# KiCad board Li-ion charger_panel.kicad_pcb (continued)
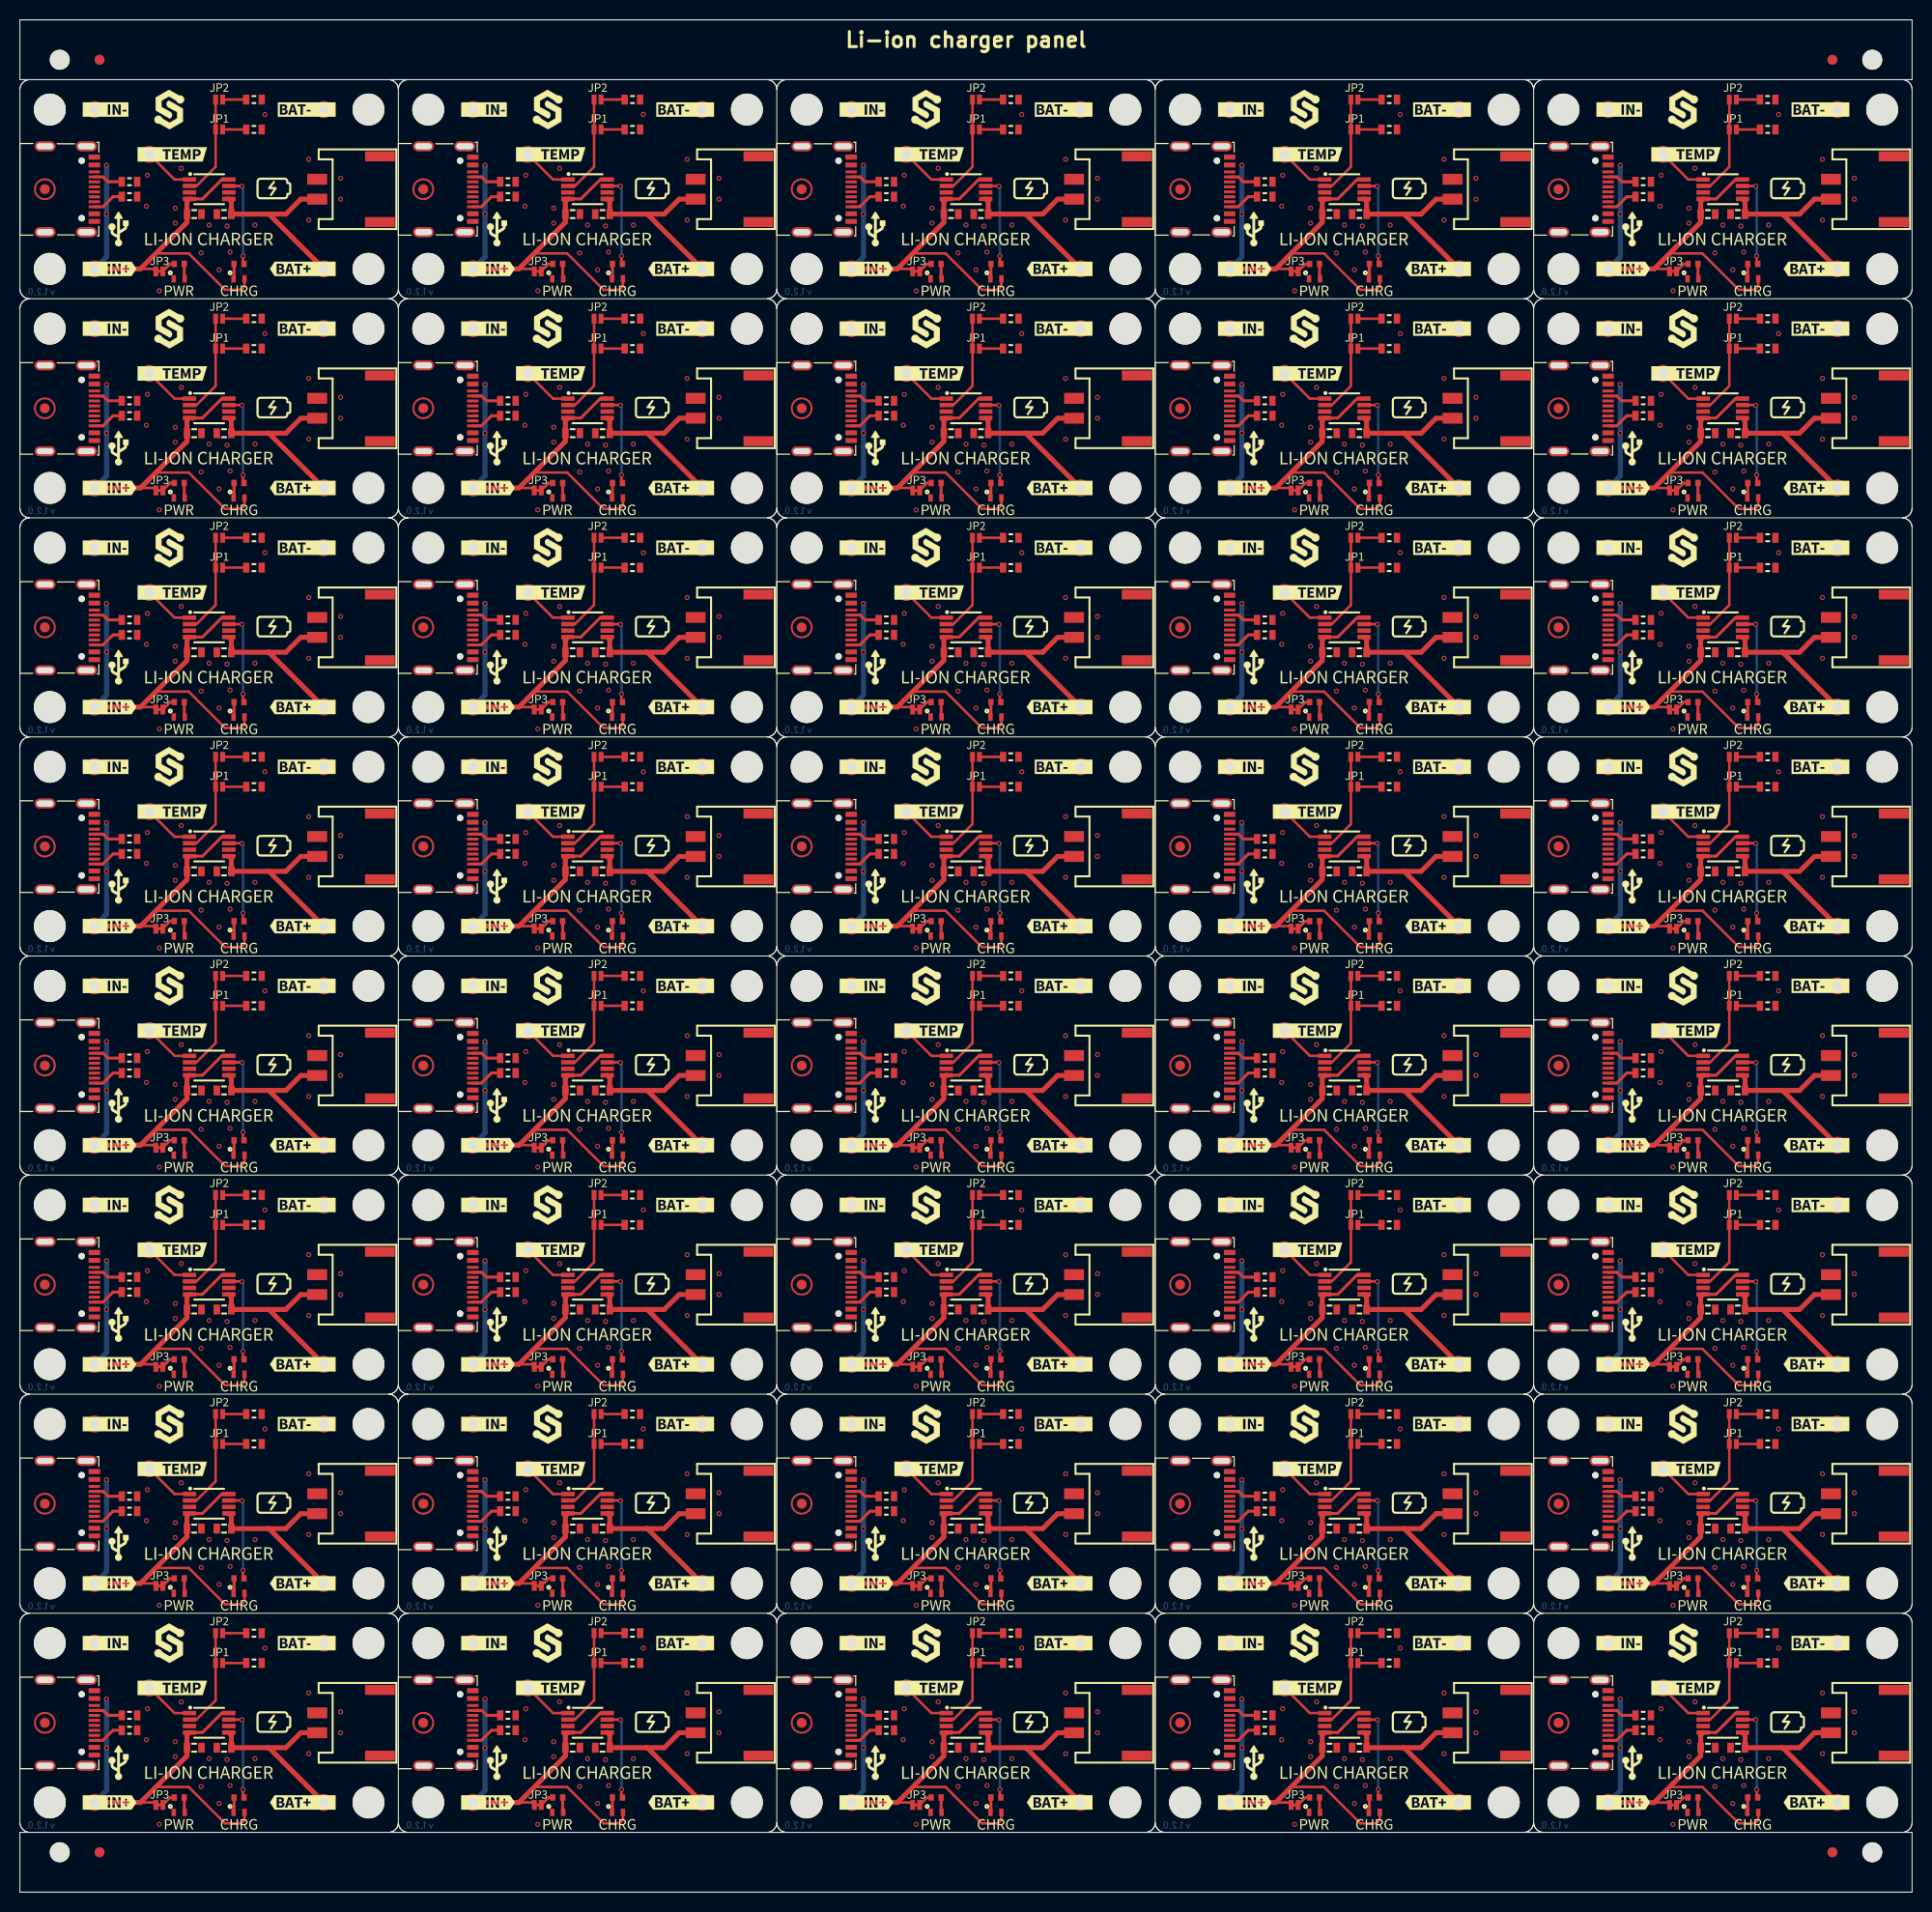
[diagram p0: board, top side]
## Placement (name value [footprint] x y rotation side) (continued)
kibuzzard-669504E0#24  G***  [kibuzzard-669504E0]  134 93.2 0 top
kibuzzard-669504E0#25  G***  [kibuzzard-669504E0]  96 137.2 0 top
kibuzzard-669504E0#26  G***  [kibuzzard-669504E0]  96 181.2 0 top
kibuzzard-669504E0#27  G***  [kibuzzard-669504E0]  134 159.2 0 top
kibuzzard-669504E0#28  G***  [kibuzzard-669504E0]  96 71.2 0 top
kibuzzard-669504E0#29  G***  [kibuzzard-669504E0]  172 181.2 0 top
kibuzzard-669504E0#30  G***  [kibuzzard-669504E0]  20 115.2 0 top
kibuzzard-669504E0#31  G***  [kibuzzard-669504E0]  20 49.2 0 top
kibuzzard-669504E0#32  G***  [kibuzzard-669504E0]  58 137.2 0 top
kibuzzard-669504E0#33  G***  [kibuzzard-669504E0]  58 71.2 0 top
kibuzzard-669504E0#34  G***  [kibuzzard-669504E0]  172 115.2 0 top
kibuzzard-669504E0#35  G***  [kibuzzard-669504E0]  172 49.2 0 top
kibuzzard-669504E0#36  G***  [kibuzzard-669504E0]  172 137.2 0 top
kibuzzard-669504E0#37  G***  [kibuzzard-669504E0]  134 71.2 0 top
kibuzzard-669504E0#38  G***  [kibuzzard-669504E0]  134 181.2 0 top
kibuzzard-669504E0#39  G***  [kibuzzard-669504E0]  20 27.2 0 top
kibuzzard-669504E0#40  G***  [kibuzzard-669504E0]  96 27.2 0 top
kibuzzard-669504EC  G***  [kibuzzard-669504EC]  172 156.1 0 top
kibuzzard-669504EC#2  G***  [kibuzzard-669504EC]  58 112.1 0 top
kibuzzard-669504EC#3  G***  [kibuzzard-669504EC]  20 68.1 0 top
kibuzzard-669504EC#4  G***  [kibuzzard-669504EC]  20 178.1 0 top
kibuzzard-669504EC#5  G***  [kibuzzard-669504EC]  96 46.1 0 top
kibuzzard-669504EC#6  G***  [kibuzzard-669504EC]  20 24.1 0 top
kibuzzard-669504EC#7  G***  [kibuzzard-669504EC]  96 68.1 0 top
kibuzzard-669504EC#8  G***  [kibuzzard-669504EC]  134 24.1 0 top
kibuzzard-669504EC#9  G***  [kibuzzard-669504EC]  96 134.1 0 top
kibuzzard-669504EC#10  G***  [kibuzzard-669504EC]  20 46.1 0 top
kibuzzard-669504EC#11  G***  [kibuzzard-669504EC]  172 134.1 0 top
kibuzzard-669504EC#12  G***  [kibuzzard-669504EC]  96 156.1 0 top
kibuzzard-669504EC#13  G***  [kibuzzard-669504EC]  58 24.1 0 top
kibuzzard-669504EC#14  G***  [kibuzzard-669504EC]  172 46.1 0 top
kibuzzard-669504EC#15  G***  [kibuzzard-669504EC]  58 178.1 0 top
kibuzzard-669504EC#16  G***  [kibuzzard-669504EC]  134 68.1 0 top
kibuzzard-669504EC#17  G***  [kibuzzard-669504EC]  134 90.1 0 top
kibuzzard-669504EC#18  G***  [kibuzzard-669504EC]  172 24.1 0 top
kibuzzard-669504EC#19  G***  [kibuzzard-669504EC]  20 112.1 0 top
kibuzzard-669504EC#20  G***  [kibuzzard-669504EC]  96 178.1 0 top
kibuzzard-669504EC#21  G***  [kibuzzard-669504EC]  20 156.1 0 top
kibuzzard-669504EC#22  G***  [kibuzzard-669504EC]  58 90.1 0 top
kibuzzard-669504EC#23  G***  [kibuzzard-669504EC]  134 156.1 0 top
kibuzzard-669504EC#24  G***  [kibuzzard-669504EC]  134 134.1 0 top
kibuzzard-669504EC#25  G***  [kibuzzard-669504EC]  96 112.1 0 top
kibuzzard-669504EC#26  G***  [kibuzzard-669504EC]  58 134.1 0 top
kibuzzard-669504EC#27  G***  [kibuzzard-669504EC]  96 24.1 0 top
kibuzzard-669504EC#28  G***  [kibuzzard-669504EC]  96 90.1 0 top
kibuzzard-669504EC#29  G***  [kibuzzard-669504EC]  172 90.1 0 top
kibuzzard-669504EC#30  G***  [kibuzzard-669504EC]  172 178.1 0 top
kibuzzard-669504EC#31  G***  [kibuzzard-669504EC]  172 112.1 0 top
kibuzzard-669504EC#32  G***  [kibuzzard-669504EC]  58 46.1 0 top
kibuzzard-669504EC#33  G***  [kibuzzard-669504EC]  172 68.1 0 top
kibuzzard-669504EC#34  G***  [kibuzzard-669504EC]  58 68.1 0 top
kibuzzard-669504EC#35  G***  [kibuzzard-669504EC]  58 156.1 0 top
kibuzzard-669504EC#36  G***  [kibuzzard-669504EC]  134 112.1 0 top
kibuzzard-669504EC#37  G***  [kibuzzard-669504EC]  20 90.1 0 top
kibuzzard-669504EC#38  G***  [kibuzzard-669504EC]  20 134.1 0 top
kibuzzard-669504EC#39  G***  [kibuzzard-669504EC]  134 46.1 0 top
kibuzzard-669504EC#40  G***  [kibuzzard-669504EC]  134 178.1 0 top
kibuzzard-6695049F  G***  [kibuzzard-6695049F]  66.8 113 0 top
kibuzzard-6695049F#2  G***  [kibuzzard-6695049F]  66.8 47 0 top
kibuzzard-6695049F#3  G***  [kibuzzard-6695049F]  66.8 135 0 top
kibuzzard-6695049F#4  G***  [kibuzzard-6695049F]  142.8 69 0 top
kibuzzard-6695049F#5  G***  [kibuzzard-6695049F]  104.8 157 0 top
kibuzzard-6695049F#6  G***  [kibuzzard-6695049F]  28.8 47 0 top
kibuzzard-6695049F#7  G***  [kibuzzard-6695049F]  180.8 47 0 top
kibuzzard-6695049F#8  G***  [kibuzzard-6695049F]  66.8 25 0 top
kibuzzard-6695049F#9  G***  [kibuzzard-6695049F]  104.8 113 0 top
kibuzzard-6695049F#10  G***  [kibuzzard-6695049F]  180.8 91 0 top
kibuzzard-6695049F#11  G***  [kibuzzard-6695049F]  180.8 69 0 top
kibuzzard-6695049F#12  G***  [kibuzzard-6695049F]  180.8 135 0 top
kibuzzard-6695049F#13  G***  [kibuzzard-6695049F]  28.8 69 0 top
kibuzzard-6695049F#14  G***  [kibuzzard-6695049F]  28.8 157 0 top
kibuzzard-6695049F#15  G***  [kibuzzard-6695049F]  180.8 25 0 top
kibuzzard-6695049F#16  G***  [kibuzzard-6695049F]  104.8 47 0 top
kibuzzard-6695049F#17  G***  [kibuzzard-6695049F]  28.8 135 0 top
kibuzzard-6695049F#18  G***  [kibuzzard-6695049F]  142.8 113 0 top
kibuzzard-6695049F#19  G***  [kibuzzard-6695049F]  142.8 91 0 top
kibuzzard-6695049F#20  G***  [kibuzzard-6695049F]  142.8 157 0 top
kibuzzard-6695049F#21  G***  [kibuzzard-6695049F]  28.8 113 0 top
kibuzzard-6695049F#22  G***  [kibuzzard-6695049F]  28.8 25 0 top
kibuzzard-6695049F#23  G***  [kibuzzard-6695049F]  142.8 179 0 top
kibuzzard-6695049F#24  G***  [kibuzzard-6695049F]  104.8 179 0 top
kibuzzard-6695049F#25  G***  [kibuzzard-6695049F]  104.8 25 0 top
kibuzzard-6695049F#26  G***  [kibuzzard-6695049F]  66.8 179 0 top
kibuzzard-6695049F#27  G***  [kibuzzard-6695049F]  66.8 69 0 top
kibuzzard-6695049F#28  G***  [kibuzzard-6695049F]  180.8 179 0 top
kibuzzard-6695049F#29  G***  [kibuzzard-6695049F]  28.8 179 0 top
kibuzzard-6695049F#30  G***  [kibuzzard-6695049F]  142.8 25 0 top
kibuzzard-6695049F#31  G***  [kibuzzard-6695049F]  104.8 91 0 top
kibuzzard-6695049F#32  G***  [kibuzzard-6695049F]  104.8 69 0 top
kibuzzard-6695049F#33  G***  [kibuzzard-6695049F]  66.8 157 0 top
kibuzzard-6695049F#34  G***  [kibuzzard-6695049F]  180.8 157 0 top
kibuzzard-6695049F#35  G***  [kibuzzard-6695049F]  142.8 47 0 top
kibuzzard-6695049F#36  G***  [kibuzzard-6695049F]  104.8 135 0 top
kibuzzard-6695049F#37  G***  [kibuzzard-6695049F]  142.8 135 0 top
kibuzzard-6695049F#38  G***  [kibuzzard-6695049F]  28.8 91 0 top
kibuzzard-6695049F#39  G***  [kibuzzard-6695049F]  66.8 91 0 top
kibuzzard-6695049F#40  G***  [kibuzzard-6695049F]  180.8 113 0 top
kibuzzard-66950404  G***  [kibuzzard-66950404]  171 100 0 top
kibuzzard-66950404#2  G***  [kibuzzard-66950404]  171 78 0 top
kibuzzard-66950404#3  G***  [kibuzzard-66950404]  19 56 0 top
kibuzzard-66950404#4  G***  [kibuzzard-66950404]  57 34 0 top
kibuzzard-66950404#5  G***  [kibuzzard-66950404]  95 34 0 top
kibuzzard-66950404#6  G***  [kibuzzard-66950404]  133 12 0 top
kibuzzard-66950404#7  G***  [kibuzzard-66950404]  95 144 0 top
kibuzzard-66950404#8  G***  [kibuzzard-66950404]  171 122 0 top
kibuzzard-66950404#9  G***  [kibuzzard-66950404]  171 12 0 top
kibuzzard-66950404#10  G***  [kibuzzard-66950404]  57 122 0 top
kibuzzard-66950404#11  G***  [kibuzzard-66950404]  95 78 0 top
kibuzzard-66950404#12  G***  [kibuzzard-66950404]  19 100 0 top
kibuzzard-66950404#13  G***  [kibuzzard-66950404]  95 122 0 top
kibuzzard-66950404#14  G***  [kibuzzard-66950404]  133 78 0 top
kibuzzard-66950404#15  G***  [kibuzzard-66950404]  95 12 0 top
kibuzzard-66950404#16  G***  [kibuzzard-66950404]  133 100 0 top
kibuzzard-66950404#17  G***  [kibuzzard-66950404]  57 78 0 top
kibuzzard-66950404#18  G***  [kibuzzard-66950404]  171 144 0 top
kibuzzard-66950404#19  G***  [kibuzzard-66950404]  57 56 0 top
kibuzzard-66950404#20  G***  [kibuzzard-66950404]  19 12 0 top
kibuzzard-66950404#21  G***  [kibuzzard-66950404]  19 166 0 top
kibuzzard-66950404#22  G***  [kibuzzard-66950404]  95 166 0 top
kibuzzard-66950404#23  G***  [kibuzzard-66950404]  19 78 0 top
kibuzzard-66950404#24  G***  [kibuzzard-66950404]  19 144 0 top
kibuzzard-66950404#25  G***  [kibuzzard-66950404]  95 100 0 top
kibuzzard-66950404#26  G***  [kibuzzard-66950404]  57 144 0 top
kibuzzard-66950404#27  G***  [kibuzzard-66950404]  19 122 0 top
kibuzzard-66950404#28  G***  [kibuzzard-66950404]  19 34 0 top
kibuzzard-66950404#29  G***  [kibuzzard-66950404]  133 122 0 top
kibuzzard-66950404#30  G***  [kibuzzard-66950404]  171 34 0 top
kibuzzard-66950404#31  G***  [kibuzzard-66950404]  57 100 0 top
kibuzzard-66950404#32  G***  [kibuzzard-66950404]  171 56 0 top
kibuzzard-66950404#33  G***  [kibuzzard-66950404]  95 56 0 top
kibuzzard-66950404#34  G***  [kibuzzard-66950404]  57 166 0 top
kibuzzard-66950404#35  G***  [kibuzzard-66950404]  57 12 0 top
kibuzzard-66950404#36  G***  [kibuzzard-66950404]  133 144 0 top
kibuzzard-66950404#37  G***  [kibuzzard-66950404]  171 166 0 top
kibuzzard-66950404#38  G***  [kibuzzard-66950404]  133 166 0 top
kibuzzard-66950404#39  G***  [kibuzzard-66950404]  133 56 0 top
kibuzzard-66950404#40  G***  [kibuzzard-66950404]  133 34 0 top
kibuzzard-66950472  G***  [kibuzzard-66950472]  123 75 0 top
kibuzzard-66950472#2  G***  [kibuzzard-66950472]  47 75 0 top
kibuzzard-66950472#3  G***  [kibuzzard-66950472]  85 53 0 top
kibuzzard-66950472#4  G***  [kibuzzard-66950472]  123 53 0 top
kibuzzard-66950472#5  G***  [kibuzzard-66950472]  47 97 0 top
kibuzzard-66950472#6  G***  [kibuzzard-66950472]  123 97 0 top
kibuzzard-66950472#7  G***  [kibuzzard-66950472]  85 9 0 top
kibuzzard-66950472#8  G***  [kibuzzard-66950472]  123 141 0 top
kibuzzard-66950472#9  G***  [kibuzzard-66950472]  47 119 0 top
kibuzzard-66950472#10  G***  [kibuzzard-66950472]  85 31 0 top
kibuzzard-66950472#11  G***  [kibuzzard-66950472]  161 53 0 top
kibuzzard-66950472#12  G***  [kibuzzard-66950472]  9 119 0 top
kibuzzard-66950472#13  G***  [kibuzzard-66950472]  85 119 0 top
kibuzzard-66950472#14  G***  [kibuzzard-66950472]  161 31 0 top
kibuzzard-66950472#15  G***  [kibuzzard-66950472]  9 97 0 top
kibuzzard-66950472#16  G***  [kibuzzard-66950472]  47 163 0 top
kibuzzard-66950472#17  G***  [kibuzzard-66950472]  47 141 0 top
kibuzzard-66950472#18  G***  [kibuzzard-66950472]  9 53 0 top
kibuzzard-66950472#19  G***  [kibuzzard-66950472]  47 53 0 top
kibuzzard-66950472#20  G***  [kibuzzard-66950472]  47 31 0 top
kibuzzard-66950472#21  G***  [kibuzzard-66950472]  161 163 0 top
kibuzzard-66950472#22  G***  [kibuzzard-66950472]  85 97 0 top
kibuzzard-66950472#23  G***  [kibuzzard-66950472]  161 119 0 top
kibuzzard-66950472#24  G***  [kibuzzard-66950472]  123 119 0 top
kibuzzard-66950472#25  G***  [kibuzzard-66950472]  123 31 0 top
kibuzzard-66950472#26  G***  [kibuzzard-66950472]  161 75 0 top
kibuzzard-66950472#27  G***  [kibuzzard-66950472]  9 75 0 top
kibuzzard-66950472#28  G***  [kibuzzard-66950472]  123 163 0 top
kibuzzard-66950472#29  G***  [kibuzzard-66950472]  123 9 0 top
kibuzzard-66950472#30  G***  [kibuzzard-66950472]  85 163 0 top
kibuzzard-66950472#31  G***  [kibuzzard-66950472]  85 75 0 top
kibuzzard-66950472#32  G***  [kibuzzard-66950472]  85 141 0 top
kibuzzard-66950472#33  G***  [kibuzzard-66950472]  161 141 0 top
kibuzzard-66950472#34  G***  [kibuzzard-66950472]  9 141 0 top
kibuzzard-66950472#35  G***  [kibuzzard-66950472]  9 31 0 top
kibuzzard-66950472#36  G***  [kibuzzard-66950472]  9 163 0 top
kibuzzard-66950472#37  G***  [kibuzzard-66950472]  47 9 0 top
kibuzzard-66950472#38  G***  [kibuzzard-66950472]  161 9 0 top
kibuzzard-66950472#39  G***  [kibuzzard-66950472]  9 9 0 top
kibuzzard-66950472#40  G***  [kibuzzard-66950472]  161 97 0 top
kibuzzard-66950480  G***  [kibuzzard-66950480]  8.6 91 0 top
kibuzzard-66950480#2  G***  [kibuzzard-66950480]  8.6 157 0 top
kibuzzard-66950480#3  G***  [kibuzzard-66950480]  122.6 69 0 top
kibuzzard-66950480#4  G***  [kibuzzard-66950480]  84.6 157 0 top
kibuzzard-66950480#5  G***  [kibuzzard-66950480]  84.6 25 0 top
kibuzzard-66950480#6  G***  [kibuzzard-66950480]  160.6 47 0 top
kibuzzard-66950480#7  G***  [kibuzzard-66950480]  46.6 157 0 top
kibuzzard-66950480#8  G***  [kibuzzard-66950480]  160.6 113 0 top
kibuzzard-66950480#9  G***  [kibuzzard-66950480]  160.6 69 0 top
kibuzzard-66950480#10  G***  [kibuzzard-66950480]  8.6 47 0 top
kibuzzard-66950480#11  G***  [kibuzzard-66950480]  84.6 179 0 top
kibuzzard-66950480#12  G***  [kibuzzard-66950480]  46.6 179 0 top
kibuzzard-66950480#13  G***  [kibuzzard-66950480]  8.6 135 0 top
kibuzzard-66950480#14  G***  [kibuzzard-66950480]  160.6 179 0 top
kibuzzard-66950480#15  G***  [kibuzzard-66950480]  46.6 113 0 top
kibuzzard-66950480#16  G***  [kibuzzard-66950480]  46.6 91 0 top
kibuzzard-66950480#17  G***  [kibuzzard-66950480]  122.6 179 0 top
kibuzzard-66950480#18  G***  [kibuzzard-66950480]  46.6 25 0 top
kibuzzard-66950480#19  G***  [kibuzzard-66950480]  122.6 135 0 top
kibuzzard-66950480#20  G***  [kibuzzard-66950480]  46.6 47 0 top
kibuzzard-66950480#21  G***  [kibuzzard-66950480]  160.6 91 0 top
kibuzzard-66950480#22  G***  [kibuzzard-66950480]  84.6 135 0 top
kibuzzard-66950480#23  G***  [kibuzzard-66950480]  122.6 25 0 top
kibuzzard-66950480#24  G***  [kibuzzard-66950480]  46.6 69 0 top
kibuzzard-66950480#25  G***  [kibuzzard-66950480]  160.6 135 0 top
kibuzzard-66950480#26  G***  [kibuzzard-66950480]  46.6 135 0 top
kibuzzard-66950480#27  G***  [kibuzzard-66950480]  84.6 91 0 top
kibuzzard-66950480#28  G***  [kibuzzard-66950480]  122.6 113 0 top
kibuzzard-66950480#29  G***  [kibuzzard-66950480]  122.6 157 0 top
kibuzzard-66950480#30  G***  [kibuzzard-66950480]  8.6 179 0 top
kibuzzard-66950480#31  G***  [kibuzzard-66950480]  84.6 47 0 top
kibuzzard-66950480#32  G***  [kibuzzard-66950480]  8.6 69 0 top
kibuzzard-66950480#33  G***  [kibuzzard-66950480]  122.6 47 0 top
kibuzzard-66950480#34  G***  [kibuzzard-66950480]  160.6 157 0 top
kibuzzard-66950480#35  G***  [kibuzzard-66950480]  84.6 69 0 top
kibuzzard-66950480#36  G***  [kibuzzard-66950480]  84.6 113 0 top
kibuzzard-66950480#37  G***  [kibuzzard-66950480]  8.6 113 0 top
kibuzzard-66950480#38  G***  [kibuzzard-66950480]  160.6 25 0 top
kibuzzard-66950480#39  G***  [kibuzzard-66950480]  122.6 91 0 top
kibuzzard-66950480#40  G***  [kibuzzard-66950480]  8.6 25 0 top
kibuzzard-66950503  G***  [kibuzzard-66950503]  14 119.8 0 top
kibuzzard-66950503#2  G***  [kibuzzard-66950503]  52 75.8 0 top
kibuzzard-66950503#3  G***  [kibuzzard-66950503]  90 97.8 0 top
kibuzzard-66950503#4  G***  [kibuzzard-66950503]  14 9.8 0 top
kibuzzard-66950503#5  G***  [kibuzzard-66950503]  166 9.8 0 top
kibuzzard-66950503#6  G***  [kibuzzard-66950503]  52 53.8 0 top
kibuzzard-66950503#7  G***  [kibuzzard-66950503]  166 53.8 0 top
kibuzzard-66950503#8  G***  [kibuzzard-66950503]  166 119.8 0 top
kibuzzard-66950503#9  G***  [kibuzzard-66950503]  166 163.8 0 top
kibuzzard-66950503#10  G***  [kibuzzard-66950503]  166 141.8 0 top
kibuzzard-66950503#11  G***  [kibuzzard-66950503]  90 9.8 0 top
kibuzzard-66950503#12  G***  [kibuzzard-66950503]  14 75.8 0 top
kibuzzard-66950503#13  G***  [kibuzzard-66950503]  14 141.8 0 top
kibuzzard-66950503#14  G***  [kibuzzard-66950503]  90 31.8 0 top
kibuzzard-66950503#15  G***  [kibuzzard-66950503]  128 141.8 0 top
kibuzzard-66950503#16  G***  [kibuzzard-66950503]  166 31.8 0 top
kibuzzard-66950503#17  G***  [kibuzzard-66950503]  14 97.8 0 top
kibuzzard-66950503#18  G***  [kibuzzard-66950503]  128 163.8 0 top
kibuzzard-66950503#19  G***  [kibuzzard-66950503]  52 163.8 0 top
kibuzzard-66950503#20  G***  [kibuzzard-66950503]  14 31.8 0 top
kibuzzard-66950503#21  G***  [kibuzzard-66950503]  90 163.8 0 top
kibuzzard-66950503#22  G***  [kibuzzard-66950503]  128 31.8 0 top
kibuzzard-66950503#23  G***  [kibuzzard-66950503]  166 97.8 0 top
kibuzzard-66950503#24  G***  [kibuzzard-66950503]  90 119.8 0 top
kibuzzard-66950503#25  G***  [kibuzzard-66950503]  90 53.8 0 top
kibuzzard-66950503#26  G***  [kibuzzard-66950503]  128 9.8 0 top
kibuzzard-66950503#27  G***  [kibuzzard-66950503]  90 141.8 0 top
kibuzzard-66950503#28  G***  [kibuzzard-66950503]  128 75.8 0 top
kibuzzard-66950503#29  G***  [kibuzzard-66950503]  52 9.8 0 top
kibuzzard-66950503#30  G***  [kibuzzard-66950503]  52 97.8 0 top
kibuzzard-66950503#31  G***  [kibuzzard-66950503]  52 31.8 0 top
kibuzzard-66950503#32  G***  [kibuzzard-66950503]  166 75.8 0 top
kibuzzard-66950503#33  G***  [kibuzzard-66950503]  128 97.8 0 top
kibuzzard-66950503#34  G***  [kibuzzard-66950503]  128 53.8 0 top
kibuzzard-66950503#35  G***  [kibuzzard-66950503]  52 141.8 0 top
kibuzzard-66950503#36  G***  [kibuzzard-66950503]  14 53.8 0 top
kibuzzard-66950503#37  G***  [kibuzzard-66950503]  128 119.8 0 top
kibuzzard-66950503#38  G***  [kibuzzard-66950503]  90 75.8 0 top
kibuzzard-66950503#39  G***  [kibuzzard-66950503]  52 119.8 0 top
kibuzzard-66950503#40  G***  [kibuzzard-66950503]  14 163.8 0 top
kibuzzard-66950510  G***  [kibuzzard-66950510]  54 94.8 0 top
kibuzzard-66950510#2  G***  [kibuzzard-66950510]  16 6.8 0 top
kibuzzard-66950510#3  G***  [kibuzzard-66950510]  130 116.8 0 top
kibuzzard-66950510#4  G***  [kibuzzard-66950510]  92 72.8 0 top
kibuzzard-66950510#5  G***  [kibuzzard-66950510]  16 28.8 0 top
kibuzzard-66950510#6  G***  [kibuzzard-66950510]  168 160.8 0 top
kibuzzard-66950510#7  G***  [kibuzzard-66950510]  54 138.8 0 top
kibuzzard-66950510#8  G***  [kibuzzard-66950510]  16 160.8 0 top
kibuzzard-66950510#9  G***  [kibuzzard-66950510]  130 28.8 0 top
kibuzzard-66950510#10  G***  [kibuzzard-66950510]  16 116.8 0 top
kibuzzard-66950510#11  G***  [kibuzzard-66950510]  92 28.8 0 top
kibuzzard-66950510#12  G***  [kibuzzard-66950510]  92 6.8 0 top
kibuzzard-66950510#13  G***  [kibuzzard-66950510]  54 50.8 0 top
kibuzzard-66950510#14  G***  [kibuzzard-66950510]  92 160.8 0 top
kibuzzard-66950510#15  G***  [kibuzzard-66950510]  130 138.8 0 top
kibuzzard-66950510#16  G***  [kibuzzard-66950510]  92 116.8 0 top
kibuzzard-66950510#17  G***  [kibuzzard-66950510]  168 6.8 0 top
kibuzzard-66950510#18  G***  [kibuzzard-66950510]  54 6.8 0 top
kibuzzard-66950510#19  G***  [kibuzzard-66950510]  16 72.8 0 top
kibuzzard-66950510#20  G***  [kibuzzard-66950510]  168 138.8 0 top
kibuzzard-66950510#21  G***  [kibuzzard-66950510]  54 72.8 0 top
kibuzzard-66950510#22  G***  [kibuzzard-66950510]  16 50.8 0 top
kibuzzard-66950510#23  G***  [kibuzzard-66950510]  130 160.8 0 top
kibuzzard-66950510#24  G***  [kibuzzard-66950510]  168 50.8 0 top
kibuzzard-66950510#25  G***  [kibuzzard-66950510]  16 138.8 0 top
kibuzzard-66950510#26  G***  [kibuzzard-66950510]  92 94.8 0 top
kibuzzard-66950510#27  G***  [kibuzzard-66950510]  130 72.8 0 top
kibuzzard-66950510#28  G***  [kibuzzard-66950510]  168 116.8 0 top
kibuzzard-66950510#29  G***  [kibuzzard-66950510]  168 94.8 0 top
kibuzzard-66950510#30  G***  [kibuzzard-66950510]  54 28.8 0 top
kibuzzard-66950510#31  G***  [kibuzzard-66950510]  92 50.8 0 top
kibuzzard-66950510#32  G***  [kibuzzard-66950510]  130 94.8 0 top
kibuzzard-66950510#33  G***  [kibuzzard-66950510]  92 138.8 0 top
kibuzzard-66950510#34  G***  [kibuzzard-66950510]  168 28.8 0 top
kibuzzard-66950510#35  G***  [kibuzzard-66950510]  130 50.8 0 top
kibuzzard-66950510#36  G***  [kibuzzard-66950510]  54 116.8 0 top
kibuzzard-66950510#37  G***  [kibuzzard-66950510]  130 6.8 0 top
kibuzzard-66950510#38  G***  [kibuzzard-66950510]  168 72.8 0 top
kibuzzard-66950510#39  G***  [kibuzzard-66950510]  16 94.8 0 top
kibuzzard-66950510#40  G***  [kibuzzard-66950510]  54 160.8 0 top
kibuzzard-66950525  G***  [kibuzzard-66950525]  136 50.8 0 top
kibuzzard-66950525#2  G***  [kibuzzard-66950525]  60 116.8 0 top
kibuzzard-66950525#3  G***  [kibuzzard-66950525]  98 28.8 0 top
kibuzzard-66950525#4  G***  [kibuzzard-66950525]  174 50.8 0 top
kibuzzard-66950525#5  G***  [kibuzzard-66950525]  60 94.8 0 top
kibuzzard-66950525#6  G***  [kibuzzard-66950525]  98 94.8 0 top
kibuzzard-66950525#7  G***  [kibuzzard-66950525]  22 28.8 0 top
kibuzzard-66950525#8  G***  [kibuzzard-66950525]  174 116.8 0 top
kibuzzard-66950525#9  G***  [kibuzzard-66950525]  136 138.8 0 top
kibuzzard-66950525#10  G***  [kibuzzard-66950525]  22 138.8 0 top
kibuzzard-66950525#11  G***  [kibuzzard-66950525]  60 50.8 0 top
kibuzzard-66950525#12  G***  [kibuzzard-66950525]  60 28.8 0 top
kibuzzard-66950525#13  G***  [kibuzzard-66950525]  22 116.8 0 top
kibuzzard-66950525#14  G***  [kibuzzard-66950525]  60 72.8 0 top
kibuzzard-66950525#15  G***  [kibuzzard-66950525]  174 160.8 0 top
kibuzzard-66950525#16  G***  [kibuzzard-66950525]  136 72.8 0 top
kibuzzard-66950525#17  G***  [kibuzzard-66950525]  22 72.8 0 top
kibuzzard-66950525#18  G***  [kibuzzard-66950525]  136 160.8 0 top
kibuzzard-66950525#19  G***  [kibuzzard-66950525]  98 6.8 0 top
kibuzzard-66950525#20  G***  [kibuzzard-66950525]  174 6.8 0 top
kibuzzard-66950525#21  G***  [kibuzzard-66950525]  136 6.8 0 top
kibuzzard-66950525#22  G***  [kibuzzard-66950525]  60 6.8 0 top
kibuzzard-66950525#23  G***  [kibuzzard-66950525]  174 138.8 0 top
kibuzzard-66950525#24  G***  [kibuzzard-66950525]  22 50.8 0 top
kibuzzard-66950525#25  G***  [kibuzzard-66950525]  22 6.8 0 top
kibuzzard-66950525#26  G***  [kibuzzard-66950525]  22 160.8 0 top
kibuzzard-66950525#27  G***  [kibuzzard-66950525]  136 28.8 0 top
kibuzzard-66950525#28  G***  [kibuzzard-66950525]  136 94.8 0 top
kibuzzard-66950525#29  G***  [kibuzzard-66950525]  98 160.8 0 top
kibuzzard-66950525#30  G***  [kibuzzard-66950525]  174 94.8 0 top
kibuzzard-66950525#31  G***  [kibuzzard-66950525]  60 138.8 0 top
kibuzzard-66950525#32  G***  [kibuzzard-66950525]  98 138.8 0 top
kibuzzard-66950525#33  G***  [kibuzzard-66950525]  60 160.8 0 top
kibuzzard-66950525#34  G***  [kibuzzard-66950525]  22 94.8 0 top
kibuzzard-66950525#35  G***  [kibuzzard-66950525]  136 116.8 0 top
kibuzzard-66950525#36  G***  [kibuzzard-66950525]  174 28.8 0 top
kibuzzard-66950525#37  G***  [kibuzzard-66950525]  174 72.8 0 top
kibuzzard-66950525#38  G***  [kibuzzard-66950525]  98 50.8 0 top
kibuzzard-66950525#39  G***  [kibuzzard-66950525]  98 116.8 0 top
kibuzzard-66950525#40  G***  [kibuzzard-66950525]  98 72.8 0 top
R1  5.1k  [0603R]  87 170.25 0 top
R1#2  5.1k  [0603R]  125 38.25 0 top
R1#3  5.1k  [0603R]  11 16.25 0 top
R1#4  5.1k  [0603R]  87 126.25 0 top
R1#5  5.1k  [0603R]  125 60.25 0 top
R1#6  5.1k  [0603R]  163 38.25 0 top
R1#7  5.1k  [0603R]  87 16.25 0 top
R1#8  5.1k  [0603R]  87 104.25 0 top
R1#9  5.1k  [0603R]  49 60.25 0 top
R1#10  5.1k  [0603R]  11 126.25 0 top
R1#11  5.1k  [0603R]  163 126.25 0 top
R1#12  5.1k  [0603R]  125 148.25 0 top
R1#13  5.1k  [0603R]  163 104.25 0 top
R1#14  5.1k  [0603R]  125 104.25 0 top
R1#15  5.1k  [0603R]  49 16.25 0 top
R1#16  5.1k  [0603R]  49 38.25 0 top
R1#17  5.1k  [0603R]  11 170.25 0 top
R1#18  5.1k  [0603R]  125 126.25 0 top
R1#19  5.1k  [0603R]  125 170.25 0 top
R1#20  5.1k  [0603R]  11 148.25 0 top
R1#21  5.1k  [0603R]  163 82.25 0 top
R1#22  5.1k  [0603R]  49 126.25 0 top
R1#23  5.1k  [0603R]  163 170.25 0 top
R1#24  5.1k  [0603R]  163 16.25 0 top
R1#25  5.1k  [0603R]  49 148.25 0 top
R1#26  5.1k  [0603R]  87 60.25 0 top
R1#27  5.1k  [0603R]  11 38.25 0 top
R1#28  5.1k  [0603R]  11 60.25 0 top
R1#29  5.1k  [0603R]  87 82.25 0 top
R1#30  5.1k  [0603R]  163 148.25 0 top
R1#31  5.1k  [0603R]  11 104.25 0 top
R1#32  5.1k  [0603R]  125 16.25 0 top
R1#33  5.1k  [0603R]  49 170.25 0 top
R1#34  5.1k  [0603R]  87 148.25 0 top
R1#35  5.1k  [0603R]  49 104.25 0 top
R1#36  5.1k  [0603R]  163 60.25 0 top
R1#37  5.1k  [0603R]  11 82.25 0 top
R1#38  5.1k  [0603R]  125 82.25 0 top
R1#39  5.1k  [0603R]  87 38.25 0 top
R1#40  5.1k  [0603R]  49 82.25 0 top
R2  5.1k  [0603R]  163 39.75 0 top
R2#2  5.1k  [0603R]  87 127.75 0 top
R2#3  5.1k  [0603R]  125 127.75 0 top
R2#4  5.1k  [0603R]  87 171.75 0 top
R2#5  5.1k  [0603R]  49 39.75 0 top
R2#6  5.1k  [0603R]  125 171.75 0 top
R2#7  5.1k  [0603R]  163 171.75 0 top
R2#8  5.1k  [0603R]  11 61.75 0 top
R2#9  5.1k  [0603R]  49 61.75 0 top
R2#10  5.1k  [0603R]  87 83.75 0 top
R2#11  5.1k  [0603R]  125 17.75 0 top
R2#12  5.1k  [0603R]  11 127.75 0 top
R2#13  5.1k  [0603R]  11 17.75 0 top
R2#14  5.1k  [0603R]  49 149.75 0 top
R2#15  5.1k  [0603R]  163 61.75 0 top
R2#16  5.1k  [0603R]  11 105.75 0 top
R2#17  5.1k  [0603R]  163 83.75 0 top
R2#18  5.1k  [0603R]  125 149.75 0 top
R2#19  5.1k  [0603R]  87 105.75 0 top
R2#20  5.1k  [0603R]  11 83.75 0 top
R2#21  5.1k  [0603R]  125 105.75 0 top
R2#22  5.1k  [0603R]  87 61.75 0 top
R2#23  5.1k  [0603R]  11 149.75 0 top
R2#24  5.1k  [0603R]  49 17.75 0 top
R2#25  5.1k  [0603R]  125 61.75 0 top
R2#26  5.1k  [0603R]  49 127.75 0 top
R2#27  5.1k  [0603R]  11 171.75 0 top
R2#28  5.1k  [0603R]  125 83.75 0 top
R2#29  5.1k  [0603R]  163 17.75 0 top
R2#30  5.1k  [0603R]  163 105.75 0 top
R2#31  5.1k  [0603R]  125 39.75 0 top
R2#32  5.1k  [0603R]  49 105.75 0 top
R2#33  5.1k  [0603R]  11 39.75 0 top
R2#34  5.1k  [0603R]  87 149.75 0 top
R2#35  5.1k  [0603R]  87 39.75 0 top
R2#36  5.1k  [0603R]  49 171.75 0 top
R2#37  5.1k  [0603R]  49 83.75 0 top
R2#38  5.1k  [0603R]  163 127.75 0 top
R2#39  5.1k  [0603R]  87 17.75 0 top